# Altium PCB PCB1.PcbDoc (part 1 of 2) (continued)
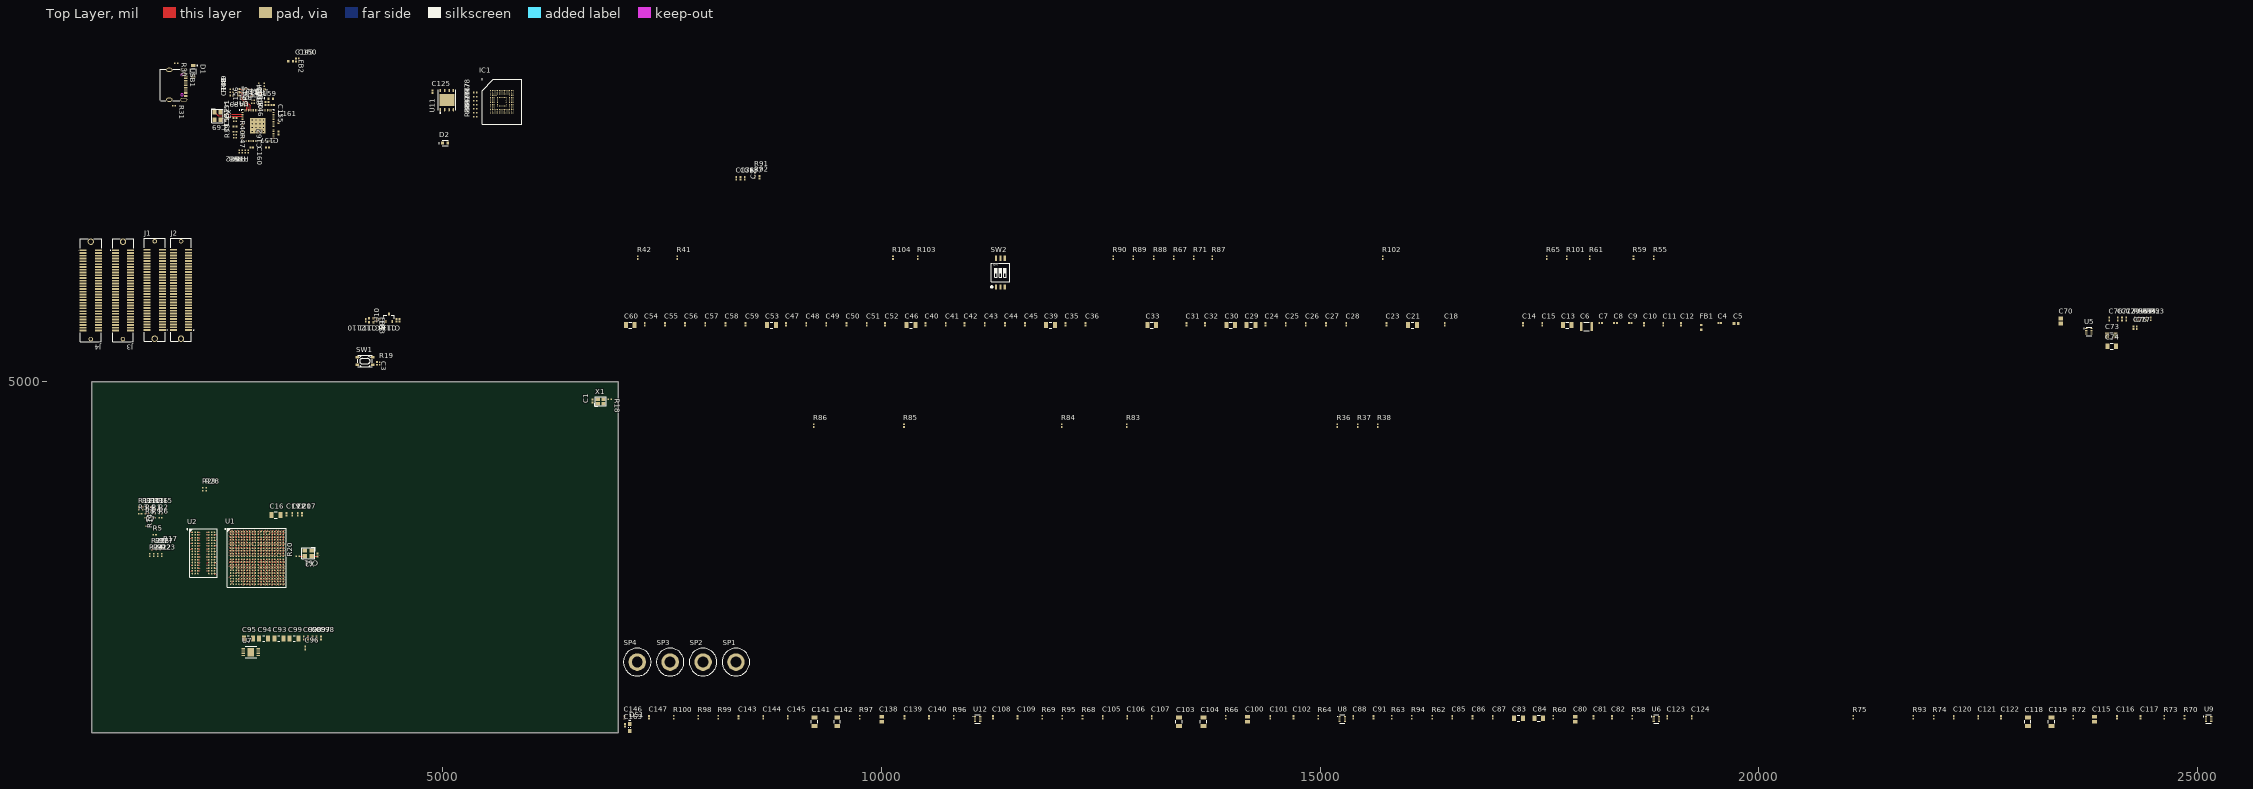
[diagram p0: Top Layer view]
## Components (designator, comment, footprint, x,y, rotation, side; value= is the part's Value field where it differs from the comment) (continued)
R8 "40R2" RESC1005X40X25LL05T05 1625.82,3449.21 r0 top
R9 "40R2" RESC1005X40X25LL05T05 1703.03,3449.21 r0 top
R10 "40R2" RESC1005X40X25LL05T05 1624.29,3556.39 r90 top
R11 "40R2" RESC1005X40X25LL05T05 1578.57,3556.39 r90 top
R12 "40R2" RESC1005X40X25LL05T05 1532.86,3556.39 r90 top
R13 "40R2" RESC1005X40X25LL05T05 1670.01,3556.39 r90 top
R14 "40R2" RESC1005X40X25LL05T05 1750,3335 r180 top
R15 "40R2" RESC1005X40X25LL05T05 1761.44,3556.39 r90 top
R16 "40R2" RESC1005X40X25LL05T05 1715.72,3556.39 r90 top
R17 "80R6" RESC1005X40X25LL05T05 1820,3120 r90 top
R18 "0R" RESC1005X40X25LL05T05 6900.75,4800 r0 top
R19 "10K" RESC1005X40X25LL05T05 4282.54,5208.81 r90 top
R20 "0R" RESC1005X40X25LL05T05 3345,3010 r180 top
R21 "240R" RESC1005X40X25LL05T05 1703.57,3025.64 r90 top
R22 "4.7K" RESC1005X40X25LL05T05 1749.29,3025.64 r90 top
R23 "4.7K" RESC1005X40X25LL05T05 1795.01,3025.64 r90 top
R24 "4.7K" RESC1005X40X25LL05T05 1657.86,3025.64 r90 top
R25 "40R2" RESC1005X40X25LL05T05 1684.41,3101.39 r90 top
R26 "40R2" RESC1005X40X25LL05T05 1730.13,3101.39 r90 top
R27 "40R2" RESC1005X40X25LL05T05 1775.84,3101.39 r90 top
R28 "80.6R" RESC1005X40X25LL05T05 2300,3775 r90 top
R29 "80.6R" RESC1005X40X25LL05T05 2265,3775 r90 top
R30 "5.1K" RESC1005X40X25LL05T05 1960,8630 r0 top
R31 "5.1K" RESC1005X40X25LL05T05 1935,8145 r0 top
R32 "0R" RESC1005X40X25LL05T05 2679.67,7624.25 r270 top
R33 "0R" RESC1005X40X25LL05T05 2713.14,7624.25 r270 top
R34 "0R" RESC1005X40X25LL05T05 2746.52,7624.25 r270 top
R35 "0R" RESC1005X40X25LL05T05 2780,7624.25 r270 top
R36 "4.7K" RESC1005X40X25LL05T05 15195,4500 r90 top
R37 "4.7K" RESC1005X40X25LL05T05 15425,4500 r90 top
R38 "4.7K" RESC1005X40X25LL05T05 15655,4500 r90 top
R39 "10K" RESC1005X40X25LL05T05 2630.06,7783.08 r180 top
R40 "12K" RESC1005X40X25LL05T05 2629.73,7967.47 r0 top
R41 "0R" RESC1005X40X25LL05T05 7670,6415 r90 top
R42 "0R" RESC1005X40X25LL05T05 7220,6415 r90 top
R43 "330R" RESC1005X40X25LL05T05 2965,8385 r270 top
R44 "330R" RESC1005X40X25LL05T05 2902.82,8385 r270 top
R45 "4.7K" RESC1005X40X25LL05T05 2834.69,8207.31 r180 top
R46 "10K" RESC1005X40X25LL05T05 2834.58,8173.82 r0 top
R47 "12K" RESC1005X40X25LL05T05 2630.06,7816.61 r0 top
R48 "10K" RESC1005X40X25LL05T05 2591.74,8299.53 r180 top
R49 "10K" RESC1005X40X25LL05T05 2591.82,8336.12 r180 top
R50 "10K" RESC1005X40X25LL05T05 2835,8260 r0 top
R51 "2K" RESC1005X40X25LL05T05 2820,8325 r270 top
R52 "20R" RESC1005X40X25LL05T05 24418.16,5716.39 r90 top
R53 "604K" RESC1005X40X25LL05T05 24463.87,5716.39 r90 top
R54 "40.2K" RESC1005X40X25LL05T05 24373.92,5716.39 r90 top
R55 "20K" RESC1005X40X25LL05T05 18800,6415 r90 top
R56 "15K" RESC1005X40X25LL05T05 24281.01,5716.39 r90 top
R57 "7.68K" RESC1005X40X25LL05T05 24326.72,5716.39 r90 top
R58 "20R" RESC1005X40X25LL05T05 18555,1175 r90 top
R59 "20K" RESC1005X40X25LL05T05 18570,6415 r90 top
R60 "40.2K" RESC1005X40X25LL05T05 17655,1175 r90 top
R61 "20K" RESC1005X40X25LL05T05 18070,6415 r90 top
R62 "36K" RESC1005X40X25LL05T05 16275,1175 r90 top
R63 "32.4K" RESC1005X40X25LL05T05 15815,1175 r90 top
R64 "20R" RESC1005X40X25LL05T05 14975,1175 r90 top
R65 "20K" RESC1005X40X25LL05T05 17580,6415 r90 top
R66 "40.2K" RESC1005X40X25LL05T05 13920,1175 r90 top
R67 "10K" RESC1005X40X25LL05T05 13330,6415 r90 top
R68 "0R" RESC1005X40X25LL05T05 12290,1175 r90 top
R69 "13K" RESC1005X40X25LL05T05 11830,1175 r90 top
R70 "20R" RESC1005X40X25LL05T05 24850,1175 r90 top
R71 "10K" RESC1005X40X25LL05T05 13560,6415 r90 top
R72 "33K" RESC1005X40X25LL05T05 23580,1175 r90 top
R73 "604K" RESC1005X40X25LL05T05 24620,1175 r90 top
R74 "120K" RESC1005X40X25LL05T05 21990,1175 r90 top
R75 "133K" RESC1005X40X25LL05T05 21075,1175 r90 top
R76 "10K" RESC1005X40X25LL05T05 5368.96,8205.01 r180 top
R77 "10K" RESC1005X40X25LL05T05 5368.96,8250.73 r180 top
R78 "10K" RESC1005X40X25LL05T05 5368.96,8296.45 r180 top
R79 "10K" RESC1005X40X25LL05T05 5368.96,8159.3 r180 top
R80 "10K" RESC1005X40X25LL05T05 5368.96,8022.15 r180 top
R81 "10K" RESC1005X40X25LL05T05 5368.96,8067.87 r180 top
R82 "10K" RESC1005X40X25LL05T05 5368.96,8113.58 r180 top
R83 "4.7K" RESC1005X40X25LL05T05 12795,4500 r90 top
R84 "4.7K" RESC1005X40X25LL05T05 12055,4500 r90 top
R85 "330R" RESC1005X40X25LL05T05 10255,4500 r90 top
R86 "330R" RESC1005X40X25LL05T05 9225,4500 r90 top
R87 "10K" RESC1005X40X25LL05T05 13770,6415 r90 top
R88 "20K" RESC1005X40X25LL05T05 13100,6415 r90 top
R89 "20K" RESC1005X40X25LL05T05 12870,6415 r90 top
R90 "20K" RESC1005X40X25LL05T05 12640,6415 r90 top
R91 "1K" RESC1005X40X25LL05T05 8555,7395 r90 top
R92 "1K" RESC1005X40X25LL05T05 8555,7334.25 r90 top
R93 "10K" RESC1005X40X25LL05T05 21760,1175 r90 top
R94 "10K" RESC1005X40X25LL05T05 16045,1175 r90 top
R95 "10K" RESC1005X40X25LL05T05 12060,1175 r90 top
R96 "20R" RESC1005X40X25LL05T05 10820,1175 r90 top
R97 "40.2K" RESC1005X40X25LL05T05 9750,1175 r90 top
R98 "10K" RESC1005X40X25LL05T05 7910,1175 r90 top
R99 "30K" RESC1005X40X25LL05T05 8140,1175 r90 top
R100 "13K" RESC1005X40X25LL05T05 7630,1175 r90 top
R101 "4.7K" RESC1005X40X25LL05T05 17810,6415 r90 top
R102 "22R" RESC1005X40X25LL05T05 15710,6415 r90 top
R103 "22R" RESC1005X40X25LL05T05 10410,6415 r90 top
R104 "22R" RESC1005X40X25LL05T05 10130,6415 r90 top
SP1 "M3铜柱" M3x4+6_L 8340,1805 r0 top
SP2 "M3铜柱" M3x4+6_L 7965,1805 r0 top
SP3 "M3铜柱" M3x4+6_L 7590,1805 r0 top
SP4 "M3铜柱" M3x4+6_L 7215,1805 r0 top
SW1 "3*4*2.5" SW-SMD-4.2x3.2_4P 4110,5235 r0 top
SW2 "DIP-SW-3P" "SW1.27 SMD-3P" 11355,6245 r0 top
U1 "XC7Z020-1CLG400C" CLG400 2879.25,2993.23 r0 top
U2 "MT41K64M16TW-107:J" MICT-TW-96 2270,3050 r0 top
U3 "FT2232HQ-Reel" QFN64_2_L 2891.73,7918.82 r0 top
U4 "93LC56BT-I/OT" SOT-23-OT6_N 2720,8300 r180 top
U5 "MP2333CGTL-Z" SOT583_MP2333C_MNP 23760,5575 r0 top
U6 "MP2333CGTL-Z" SOT583_MP2333C_MNP 18830,1155 r0 top
U7 "MPQ20073-AEC1" MSOP-8-EP_MNP-L 2810.5,1921.73 r0 top
U8 "MP2333CGTL-Z" SOT583_MP2333C_MNP 15250,1155 r0 top
U9 "MP2333CGTL-Z" SOT583_MP2333C_MNP 25125,1155 r0 top
U10 "REF3012AIDBZT" DBZ0003A_L 4385,5730 r90 top
U11 "W25Q128JVPIQ" FP-ZP-IPC_C 5045,8210 r90 top
U12 "MP2333CGTL-Z" SOT583_MP2333C_MNP 11095,1155 r0 top
USB1 "TYPE-C16PIN2MD(073)" TYPE-C16PIN2MD(073)-Footprint 1975,8385 r270 top
X1 "33.3333MHz" OSC-2025-4P 6797.94,4775.05 r0 top
X2 "50Mhz" OSC-3225-4P 3465,3045 r180 top
X3 "26M" XTAL-3225-4P 2431.54,8028.66 r270 top

## Footprints (in the part's own frame and the unit in brackets; to place one, negate y for a bottom-side part, rotate by r counter-clockwise, add the part's x,y. Pads: shape width x height; smd on the part's side, far side on the other; paste and mask are expansions set on the pad)
5177983-2 [mm]
  rect 0.5x2 smd: 1(-11.6,-2.2) 2(-11.6,2.2) 3(-10.8,-2.2) 4(-10.8,2.2) 5(-10,-2.2) 6(-10,2.2) 7(-9.2,-2.2) 8(-9.2,2.2) 9(-8.4,-2.2) 10(-8.4,2.2) 11(-7.6,-2.2) 12(-7.6,2.2) 13(-6.8,-2.2) 14(-6.8,2.2) 15(-6,-2.2) 16(-6,2.2) 17(-5.2,-2.2) 18(-5.2,2.2) 19(-4.4,-2.2) 20(-4.4,2.2) 21(-3.6,-2.2) 22(-3.6,2.2) 23(-2.8,-2.2) 24(-2.8,2.2) 25(-2,-2.2) 26(-2,2.2) 27(-1.2,-2.2) 28(-1.2,2.2) 29(-0.4,-2.2) 30(-0.4,2.2) 31(0.4,-2.2) 32(0.4,2.2) 33(1.2,-2.2) 34(1.2,2.2) 35(2,-2.2) 36(2,2.2) 37(2.8,-2.2) 38(2.8,2.2) 39(3.6,-2.2) 40(3.6,2.2) 41(4.4,-2.2) 42(4.4,2.2) 43(5.2,-2.2) 44(5.2,2.2) 45(6,-2.2) 46(6,2.2) 47(6.8,-2.2) 48(6.8,2.2) 49(7.6,-2.2) 50(7.6,2.2) 51(8.4,-2.2) 52(8.4,2.2) 53(9.2,-2.2) 54(9.2,2.2) 55(10,-2.2) 56(10,2.2) 57(10.8,-2.2) 58(10.8,2.2) 59(11.6,-2.2) 60(11.6,2.2)
  round 1.85 hole 1.23: 61(-14.1,0)
  round 1.3 hole 0.83: 62(14.1,0)
  silkscreen extent -14.9,-3.7 14.9,3, body extent -14.9,-3.28 14.9,2.72, height 3.63
BGA153C50P14X14_1150X1300X80 [mm]
  round 0.29 smd: A1(-3.25,3.25) A2(-2.75,3.25) A3(-2.25,3.25) A4(-1.75,3.25) A5(-1.25,3.25) A6(-0.75,3.25) A7(-0.25,3.25) A8(0.25,3.25) A9(0.75,3.25) A10(1.25,3.25) A11(1.75,3.25) A12(2.25,3.25) A13(2.75,3.25) A14(3.25,3.25) B1(-3.25,2.75) B2(-2.75,2.75) B3(-2.25,2.75) B4(-1.75,2.75) B5(-1.25,2.75) B6(-0.75,2.75) B7(-0.25,2.75) B8(0.25,2.75) B9(0.75,2.75) B10(1.25,2.75) B11(1.75,2.75) B12(2.25,2.75) B13(2.75,2.75) B14(3.25,2.75) C1(-3.25,2.25) C2(-2.75,2.25) C3(-2.25,2.25) C4(-1.75,2.25) C5(-1.25,2.25) C6(-0.75,2.25) C7(-0.25,2.25) C8(0.25,2.25) C9(0.75,2.25) C10(1.25,2.25) C11(1.75,2.25) C12(2.25,2.25) C13(2.75,2.25) C14(3.25,2.25) D1(-3.25,1.75) D2(-2.75,1.75) D3(-2.25,1.75) D4(-1.75,1.75) D12(2.25,1.75) D13(2.75,1.75) D14(3.25,1.75) E1(-3.25,1.25) E2(-2.75,1.25) E3(-2.25,1.25) E5(-1.25,1.25) E6(-0.75,1.25) E7(-0.25,1.25) E8(0.25,1.25) E9(0.75,1.25) E10(1.25,1.25) E12(2.25,1.25) E13(2.75,1.25) E14(3.25,1.25) F1(-3.25,0.75) F2(-2.75,0.75) F3(-2.25,0.75) F5(-1.25,0.75) F10(1.25,0.75) F12(2.25,0.75) F13(2.75,0.75) F14(3.25,0.75) G1(-3.25,0.25) G2(-2.75,0.25) G3(-2.25,0.25) G5(-1.25,0.25) G10(1.25,0.25) G12(2.25,0.25) G13(2.75,0.25) G14(3.25,0.25) H1(-3.25,-0.25) H2(-2.75,-0.25) H3(-2.25,-0.25) H5(-1.25,-0.25) H10(1.25,-0.25) H12(2.25,-0.25) H13(2.75,-0.25) H14(3.25,-0.25) J1(-3.25,-0.75) J2(-2.75,-0.75) J3(-2.25,-0.75) J5(-1.25,-0.75) J10(1.25,-0.75) J12(2.25,-0.75) J13(2.75,-0.75) J14(3.25,-0.75) K1(-3.25,-1.25) K2(-2.75,-1.25) K3(-2.25,-1.25) K5(-1.25,-1.25) K6(-0.75,-1.25) K7(-0.25,-1.25) K8(0.25,-1.25) K9(0.75,-1.25) K10(1.25,-1.25) K12(2.25,-1.25) K13(2.75,-1.25) K14(3.25,-1.25) L1(-3.25,-1.75) L2(-2.75,-1.75) L3(-2.25,-1.75) L12(2.25,-1.75) L13(2.75,-1.75) L14(3.25,-1.75) M1(-3.25,-2.25) M2(-2.75,-2.25) M3(-2.25,-2.25) M4(-1.75,-2.25) M5(-1.25,-2.25) M6(-0.75,-2.25) M7(-0.25,-2.25) M8(0.25,-2.25) M9(0.75,-2.25) M10(1.25,-2.25) M11(1.75,-2.25) M12(2.25,-2.25) M13(2.75,-2.25) M14(3.25,-2.25) N1(-3.25,-2.75) N2(-2.75,-2.75) N3(-2.25,-2.75) N4(-1.75,-2.75) N5(-1.25,-2.75) N6(-0.75,-2.75) N7(-0.25,-2.75) N8(0.25,-2.75) N9(0.75,-2.75) N10(1.25,-2.75) N11(1.75,-2.75) N12(2.25,-2.75) N13(2.75,-2.75) N14(3.25,-2.75) P1(-3.25,-3.25) P2(-2.75,-3.25) P3(-2.25,-3.25) P4(-1.75,-3.25) P5(-1.25,-3.25) P6(-0.75,-3.25) P7(-0.25,-3.25) P8(0.25,-3.25) P9(0.75,-3.25) P10(1.25,-3.25) P11(1.75,-3.25) P12(2.25,-3.25) P13(2.75,-3.25) P14(3.25,-3.25)
  silkscreen extent -5.85,-6.5 5.75,6.6, body extent -5.75,-6.5 5.75,6.5, height 0.8
CAPC1005X55X25LL05T10 [mm] "Chip Capacitor, 2-Leads, Body 1.00x0.50mm, IPC High Density"
  rect 0.56x0.52 smd: 1(-0.39,0) 2(0.39,0)
  body extent -0.53,-0.28 0.53,0.28, height 0.55
CAPC1608X90X35LL10T15 [mm] "Chip Capacitor, 2-Leads, Body 1.60x0.80mm, IPC High Density"
  rect 0.75x0.85 smd: 1(-0.625,0) 2(0.625,0)
  body extent -0.85,-0.45 0.85,0.45, height 0.9
CAPC2013X145X45LL20T25 [mm] "Chip Capacitor, 2-Leads, Body 2.00x1.25mm, IPC High Density"
  rect 1.05x1.35 smd: 1(-0.725,0) 2(0.725,0)
  body extent -1.1,-0.72 1.1,0.72, height 1.45
CAPC3225X270X30LL30 [mm] "Chip Capacitor, 2-Leads, Body 3.5x2.7mm, IPC High Density"
  rect 0.75x2.6 smd: 1(-1.525,0) 2(1.525,0)
  silkscreen extent -0.75,-1.2 0.75,1.2, body extent -1.75,-1.35 1.75,1.35, height 2.7
CLG400 [mm] "BGA, 400-Balls, Body 17x17mm, Pitch 0.8mm"
  round 0.45 smd: A1(-7.6,7.6) A2(-6.8,7.6) A3(-6,7.6) A4(-5.2,7.6) A5(-4.4,7.6) A6(-3.6,7.6) A7(-2.8,7.6) A8(-2,7.6) A9(-1.2,7.6) A10(-0.4,7.6) A11(0.4,7.6) A12(1.2,7.6) A13(2,7.6) A14(2.8,7.6) A15(3.6,7.6) A16(4.4,7.6) A17(5.2,7.6) A18(6,7.6) A19(6.8,7.6) A20(7.6,7.6) B1(-7.6,6.8) B2(-6.8,6.8) B3(-6,6.8) B4(-5.2,6.8) B5(-4.4,6.8) B6(-3.6,6.8) B7(-2.8,6.8) B8(-2,6.8) B9(-1.2,6.8) B10(-0.4,6.8) B11(0.4,6.8) B12(1.2,6.8) B13(2,6.8) B14(2.8,6.8) B15(3.6,6.8) B16(4.4,6.8) B17(5.2,6.8) B18(6,6.8) B19(6.8,6.8) B20(7.6,6.8) C1(-7.6,6) C2(-6.8,6) C3(-6,6) C4(-5.2,6) C5(-4.4,6) C6(-3.6,6) C7(-2.8,6) C8(-2,6) C9(-1.2,6) C10(-0.4,6) C11(0.4,6) C12(1.2,6) C13(2,6) C14(2.8,6) C15(3.6,6) C16(4.4,6) C17(5.2,6) C18(6,6) C19(6.8,6) C20(7.6,6) D1(-7.6,5.2) D2(-6.8,5.2) D3(-6,5.2) D4(-5.2,5.2) D5(-4.4,5.2) D6(-3.6,5.2) D7(-2.8,5.2) D8(-2,5.2) D9(-1.2,5.2) D10(-0.4,5.2) D11(0.4,5.2) D12(1.2,5.2) D13(2,5.2) D14(2.8,5.2) D15(3.6,5.2) D16(4.4,5.2) D17(5.2,5.2) D18(6,5.2) D19(6.8,5.2) D20(7.6,5.2) E1(-7.6,4.4) E2(-6.8,4.4) E3(-6,4.4) E4(-5.2,4.4) E5(-4.4,4.4) E6(-3.6,4.4) E7(-2.8,4.4) E8(-2,4.4) E9(-1.2,4.4) E10(-0.4,4.4) E11(0.4,4.4) E12(1.2,4.4) E13(2,4.4) E14(2.8,4.4) E15(3.6,4.4) E16(4.4,4.4) E17(5.2,4.4) E18(6,4.4) E19(6.8,4.4) E20(7.6,4.4) F1(-7.6,3.6) F2(-6.8,3.6) F3(-6,3.6) F4(-5.2,3.6) F5(-4.4,3.6) F6(-3.6,3.6) F7(-2.8,3.6) F8(-2,3.6) F9(-1.2,3.6) F10(-0.4,3.6) F11(0.4,3.6) F12(1.2,3.6) F13(2,3.6) F14(2.8,3.6) F15(3.6,3.6) F16(4.4,3.6) F17(5.2,3.6) F18(6,3.6) F19(6.8,3.6) F20(7.6,3.6) G1(-7.6,2.8) G2(-6.8,2.8) G3(-6,2.8) G4(-5.2,2.8) G5(-4.4,2.8) G6(-3.6,2.8) G7(-2.8,2.8) G8(-2,2.8) G9(-1.2,2.8) G10(-0.4,2.8) G11(0.4,2.8) G12(1.2,2.8) G13(2,2.8) G14(2.8,2.8) G15(3.6,2.8) G16(4.4,2.8) G17(5.2,2.8) G18(6,2.8) G19(6.8,2.8) G20(7.6,2.8) H1(-7.6,2) H2(-6.8,2) H3(-6,2) H4(-5.2,2) H5(-4.4,2) H6(-3.6,2) H7(-2.8,2) H8(-2,2) H9(-1.2,2) H10(-0.4,2) H11(0.4,2) H12(1.2,2) H13(2,2) H14(2.8,2) H15(3.6,2) H16(4.4,2) H17(5.2,2) H18(6,2) H19(6.8,2) H20(7.6,2) J1(-7.6,1.2) J2(-6.8,1.2) J3(-6,1.2) J4(-5.2,1.2) J5(-4.4,1.2) J6(-3.6,1.2) J7(-2.8,1.2) J8(-2,1.2) J9(-1.2,1.2) J10(-0.4,1.2) J11(0.4,1.2) J12(1.2,1.2) J13(2,1.2) J14(2.8,1.2) J15(3.6,1.2) J16(4.4,1.2) J17(5.2,1.2) J18(6,1.2) J19(6.8,1.2) J20(7.6,1.2) K1(-7.6,0.4) K2(-6.8,0.4) K3(-6,0.4) K4(-5.2,0.4) K5(-4.4,0.4) K6(-3.6,0.4) K7(-2.8,0.4) K8(-2,0.4) K9(-1.2,0.4) K10(-0.4,0.4) K11(0.4,0.4) K12(1.2,0.4) K13(2,0.4) K14(2.8,0.4) K15(3.6,0.4) K16(4.4,0.4) K17(5.2,0.4) K18(6,0.4) K19(6.8,0.4) K20(7.6,0.4) L1(-7.6,-0.4) L2(-6.8,-0.4) L3(-6,-0.4) L4(-5.2,-0.4) L5(-4.4,-0.4) L6(-3.6,-0.4) L7(-2.8,-0.4) L8(-2,-0.4) L9(-1.2,-0.4) L10(-0.4,-0.4) L11(0.4,-0.4) L12(1.2,-0.4) L13(2,-0.4) L14(2.8,-0.4) L15(3.6,-0.4) L16(4.4,-0.4) L17(5.2,-0.4) L18(6,-0.4) L19(6.8,-0.4) L20(7.6,-0.4) M1(-7.6,-1.2) M2(-6.8,-1.2) M3(-6,-1.2) M4(-5.2,-1.2) M5(-4.4,-1.2) M6(-3.6,-1.2) M7(-2.8,-1.2) M8(-2,-1.2) M9(-1.2,-1.2) M10(-0.4,-1.2) M11(0.4,-1.2) M12(1.2,-1.2) M13(2,-1.2) M14(2.8,-1.2) M15(3.6,-1.2) M16(4.4,-1.2) M17(5.2,-1.2) M18(6,-1.2) M19(6.8,-1.2) M20(7.6,-1.2) N1(-7.6,-2) N2(-6.8,-2) N3(-6,-2) N4(-5.2,-2) N5(-4.4,-2) N6(-3.6,-2) N7(-2.8,-2) N8(-2,-2) N9(-1.2,-2) N10(-0.4,-2) N11(0.4,-2) N12(1.2,-2) N13(2,-2) N14(2.8,-2) N15(3.6,-2) N16(4.4,-2) N17(5.2,-2) N18(6,-2) N19(6.8,-2) N20(7.6,-2) P1(-7.6,-2.8) P2(-6.8,-2.8) P3(-6,-2.8) P4(-5.2,-2.8) P5(-4.4,-2.8) P6(-3.6,-2.8) P7(-2.8,-2.8) P8(-2,-2.8) P9(-1.2,-2.8) P10(-0.4,-2.8) P11(0.4,-2.8) P12(1.2,-2.8) P13(2,-2.8) P14(2.8,-2.8) P15(3.6,-2.8) P16(4.4,-2.8) P17(5.2,-2.8) P18(6,-2.8) P19(6.8,-2.8) P20(7.6,-2.8) R1(-7.6,-3.6) R2(-6.8,-3.6) R3(-6,-3.6) R4(-5.2,-3.6) R5(-4.4,-3.6) R6(-3.6,-3.6) R7(-2.8,-3.6) R8(-2,-3.6) R9(-1.2,-3.6) R10(-0.4,-3.6) R11(0.4,-3.6) R12(1.2,-3.6) R13(2,-3.6) R14(2.8,-3.6) R15(3.6,-3.6) R16(4.4,-3.6) R17(5.2,-3.6) R18(6,-3.6) R19(6.8,-3.6) R20(7.6,-3.6) T1(-7.6,-4.4) T2(-6.8,-4.4) T3(-6,-4.4) T4(-5.2,-4.4) T5(-4.4,-4.4) T6(-3.6,-4.4) T7(-2.8,-4.4) T8(-2,-4.4) T9(-1.2,-4.4) T10(-0.4,-4.4) T11(0.4,-4.4) T12(1.2,-4.4) T13(2,-4.4) T14(2.8,-4.4) T15(3.6,-4.4) T16(4.4,-4.4) T17(5.2,-4.4) T18(6,-4.4) T19(6.8,-4.4) T20(7.6,-4.4) U1(-7.6,-5.2) U2(-6.8,-5.2) U3(-6,-5.2) U4(-5.2,-5.2) U5(-4.4,-5.2) U6(-3.6,-5.2) U7(-2.8,-5.2) U8(-2,-5.2) U9(-1.2,-5.2) U10(-0.4,-5.2) U11(0.4,-5.2) U12(1.2,-5.2) U13(2,-5.2) U14(2.8,-5.2) U15(3.6,-5.2) U16(4.4,-5.2) U17(5.2,-5.2) U18(6,-5.2) U19(6.8,-5.2) U20(7.6,-5.2) V1(-7.6,-6) V2(-6.8,-6) V3(-6,-6) V4(-5.2,-6) V5(-4.4,-6) V6(-3.6,-6) V7(-2.8,-6) V8(-2,-6) V9(-1.2,-6) V10(-0.4,-6) V11(0.4,-6) V12(1.2,-6) V13(2,-6) V14(2.8,-6) V15(3.6,-6) V16(4.4,-6) V17(5.2,-6) V18(6,-6) V19(6.8,-6) V20(7.6,-6) W1(-7.6,-6.8) W2(-6.8,-6.8) W3(-6,-6.8) W4(-5.2,-6.8) W5(-4.4,-6.8) W6(-3.6,-6.8) W7(-2.8,-6.8) W8(-2,-6.8) W9(-1.2,-6.8) W10(-0.4,-6.8) W11(0.4,-6.8) W12(1.2,-6.8) W13(2,-6.8) W14(2.8,-6.8) W15(3.6,-6.8) W16(4.4,-6.8) W17(5.2,-6.8) W18(6,-6.8) W19(6.8,-6.8) W20(7.6,-6.8) Y1(-7.6,-7.6) Y2(-6.8,-7.6) Y3(-6,-7.6) Y4(-5.2,-7.6) Y5(-4.4,-7.6) Y6(-3.6,-7.6) Y7(-2.8,-7.6) Y8(-2,-7.6) Y9(-1.2,-7.6) Y10(-0.4,-7.6) Y11(0.4,-7.6) Y12(1.2,-7.6) Y13(2,-7.6) Y14(2.8,-7.6) Y15(3.6,-7.6) Y16(4.4,-7.6) Y17(5.2,-7.6) Y18(6,-7.6) Y19(6.8,-7.6) Y20(7.6,-7.6)
  silkscreen extent -9.27,-8.5 8.5,8.5, body extent -8.5,-8.5 8.5,8.5, height 1.6
DBZ0003A_L [mm] "SOT23, 3-Leads, Body 3.04x1.4mm, Pitch 0.95mm, IPC High Density"
  rrect18% 0.8x0.55 smd: 1(-1.1,0.95) 2(-1.1,-0.95) 3(1.1,0)
  silkscreen extent -1.22,-1.5 0.7,1.9, body extent -1.26,-1.46 1.26,1.46, height 0.96
FP-0201-L_0_6_0_09-W_0_3-IPC_A [mil]
  rect 22.71x19.82 smd paste+0 mask+0: 1(-14.31,0) 2(14.31,0)
  body extent -34,-18 34,18, height 10
FP-GCM31C-0_2-e0_3_0_8-IPC_C [mil]
  rect 45.46x67.17 smd paste+0 mask+0: 1(-50.23,0) 2(50.23,0)
  silkscreen extent -16,-35 16,35, body extent -77,-39 77,39, height 10
FP-LTST-C191KRKT-MFG [mm]
  rect 0.8x0.8 smd paste+0 mask+0: 1(-0.75,0) 2(0.75,0)
  silkscreen extent -1.86,-0.78 0.86,0.78, body extent -1.25,-0.55 1.25,0.55, height 0.25
FP-LTST-C191TBKT-MFG [mm]
  rect 0.8x0.8 smd paste+0 mask+0: 1(-0.75,0) 2(0.75,0)
  silkscreen extent -1.87,-0.8 0.85,0.8, body extent -1.25,-0.55 1.25,0.55, height 0.25
FP-ZP-IPC_C [mm]
  rect 0.961x0.418 smd paste+0 mask+0: 1(-2.776,1.905)
  rrect100% 0.961x0.418 smd paste+0 mask+0: 2(-2.776,0.635) 3(-2.776,-0.635) 4(-2.776,-1.905) 5(2.776,-1.905) 6(2.776,-0.635) 7(2.776,0.635) 8(2.776,1.905)
  rect 3.45x4.35 smd paste-1000 mask+0: 9(0,0)
  silkscreen extent -3.78,-2.5 3,2.5, body extent -3.36,-2.6 3.36,2.6, height 0.25
LTST-LTST-S270KGKT-2_V [mm] "SMD, 2-Leads, Body 1.65x0.60mm"
  rect 1.1x1.1 smd: 1(-1,0) 2(1,0)
  silkscreen extent -0.05,-0.3 2.05,0.3, body extent -0.82,-0.3 0.82,0.3, height 1.15
M3x4+6_L [mil] "M3铜柱，长：4mm，螺纹长：6mm"
  round 200 hole 125: 1(0,0)
  silkscreen extent -157,-157 157,157, body extent -106,-93 106,93, height 159
MICT-TW-96 [mm] "BGA, 96-Balls, Body 8x14mm, Pitch 0.8mm"
  round 0.47 smd mask-0.025: A1(-3.2,6) A2(-2.4,6) A3(-1.6,6) A7(1.6,6) A8(2.4,6) A9(3.2,6) B1(-3.2,5.2) B2(-2.4,5.2) B3(-1.6,5.2) B7(1.6,5.2) B8(2.4,5.2) B9(3.2,5.2) C1(-3.2,4.4) C2(-2.4,4.4) C3(-1.6,4.4) C7(1.6,4.4) C8(2.4,4.4) C9(3.2,4.4) D1(-3.2,3.6) D2(-2.4,3.6) D3(-1.6,3.6) D7(1.6,3.6) D8(2.4,3.6) D9(3.2,3.6) E1(-3.2,2.8) E2(-2.4,2.8) E3(-1.6,2.8) E7(1.6,2.8) E8(2.4,2.8) E9(3.2,2.8) F1(-3.2,2) F2(-2.4,2) F3(-1.6,2) F7(1.6,2) F8(2.4,2) F9(3.2,2) G1(-3.2,1.2) G2(-2.4,1.2) G3(-1.6,1.2) G7(1.6,1.2) G8(2.4,1.2) G9(3.2,1.2) H1(-3.2,0.4) H2(-2.4,0.4) H3(-1.6,0.4) H7(1.6,0.4) H8(2.4,0.4) H9(3.2,0.4) J1(-3.2,-0.4) J2(-2.4,-0.4) J3(-1.6,-0.4) J7(1.6,-0.4) J8(2.4,-0.4) J9(3.2,-0.4) K1(-3.2,-1.2) K2(-2.4,-1.2) K3(-1.6,-1.2) K7(1.6,-1.2) K8(2.4,-1.2) K9(3.2,-1.2) L1(-3.2,-2) L2(-2.4,-2) L3(-1.6,-2) L7(1.6,-2) L8(2.4,-2) L9(3.2,-2) M1(-3.2,-2.8) M2(-2.4,-2.8) M3(-1.6,-2.8) M7(1.6,-2.8) M8(2.4,-2.8) M9(3.2,-2.8) N1(-3.2,-3.6) N2(-2.4,-3.6) N3(-1.6,-3.6) N7(1.6,-3.6) N8(2.4,-3.6) N9(3.2,-3.6) P1(-3.2,-4.4) P2(-2.4,-4.4) P3(-1.6,-4.4) P7(1.6,-4.4) P8(2.4,-4.4) P9(3.2,-4.4) R1(-3.2,-5.2) R2(-2.4,-5.2) R3(-1.6,-5.2) R7(1.6,-5.2) R8(2.4,-5.2) R9(3.2,-5.2) T1(-3.2,-6) T2(-2.4,-6) T3(-1.6,-6) T7(1.6,-6) T8(2.4,-6) T9(3.2,-6)
  silkscreen extent -4.77,-7 4,7, body extent -4,-7 4,7, height 1.2
MSOP-8-EP_MNP-L [mil]
  rect 42x14 smd paste+0 mask+0: 1(-84.5,34.45) 2(-84.5,8.86) 3(-84.5,-16.73) 4(-84.5,-42.32) 5(84.5,-42.32) 6(84.5,-16.73) 7(84.5,8.86) 8(84.5,34.45)
  rect 75x100 smd paste-49.5 mask+0: EPAD(0,-3.94)
  silkscreen extent -66,-70 66,62, body extent -99,-65 99,57, height 43
MURA-1206_H_1.8_L [mm] "SMD, 2-Leads, Body 3.4x1.8mm, IPC High Density"
  rect 1.15x1.7 smd: 1(-1.275,0) 2(1.275,0)
  silkscreen extent -0.3,-0.75 0.3,0.75, body extent -1.7,-0.9 1.7,0.9, height 1.8
MURA-BLM18SG-B40-CHIP-2_V6 [mm] "Chip Ferrite Bead, 2-Leads, Body 1.6x0.8mm, Height 0.65mm, Reflow, 70um Land Pad Thickness, 3 to 4A Rated Current"
  rect 0.65x0.7 smd: 1(-0.675,0) 2(0.675,0)
  body extent -0.8,-0.4 0.8,0.4, height 0.65
ONSC-SOD-123FL-2-498-01_V [mm] "SOD, 2-Leads, Body 2.7x1.65mm"
  rect 0.91x1.22 smd: 1(-1.635,0) 2(1.635,0)
  silkscreen extent -1.76,-0.82 0.78,1.29, body extent -1.35,-0.82 1.35,0.82, height 1
OSC-2025-4P [mm] "2*2.5*0.55mm(长宽高)"
  rect 1.2x1 smd: 1(-0.85,-0.65) 2(0.85,-0.65) 3(0.85,0.65) 4(-0.85,0.65)
  silkscreen extent -1.75,-1.4 1.63,1.32, body extent -1.25,-1 1.25,1, height 0.55
OSC-3225-4P [mm] "3.2*2.5*0.7mm(长宽高)                             淘宝ID:黄晶宝石"
  rect 1.3x1.2 smd: 1(-1.05,-0.85) 2(1.05,-0.85) 3(1.05,0.85) 4(-1.05,0.85)
  silkscreen extent -2.03,-1.75 1.91,1.65, body extent -1.6,-1.25 1.6,1.25, height 0.7
QFN64_2_L [mm] "QFN, 64-Leads, Body 9x9mm, Pitch 0.5mm, Thermal Pad 4.5x4.5mm, IPC High Density"
  oval 0.65x0.25 smd: 1(-4.475,3.75) 2(-4.475,3.25) 3(-4.475,2.75) 4(-4.475,2.25) 5(-4.475,1.75) 6(-4.475,1.25) 7(-4.475,0.75) 8(-4.475,0.25) 9(-4.475,-0.25) 10(-4.475,-0.75) 11(-4.475,-1.25) 12(-4.475,-1.75) 13(-4.475,-2.25) 14(-4.475,-2.75) 15(-4.475,-3.25) 16(-4.475,-3.75) 33(4.475,-3.75) 34(4.475,-3.25) 35(4.475,-2.75) 36(4.475,-2.25) 37(4.475,-1.75) 38(4.475,-1.25) 39(4.475,-0.75) 40(4.475,-0.25) 41(4.475,0.25) 42(4.475,0.75) 43(4.475,1.25) 44(4.475,1.75) 45(4.475,2.25) 46(4.475,2.75) 47(4.475,3.25) 48(4.475,3.75)
  oval 0.25x0.65 smd: 17(-3.75,-4.475) 18(-3.25,-4.475) 19(-2.75,-4.475) 20(-2.25,-4.475) 21(-1.75,-4.475) 22(-1.25,-4.475) 23(-0.75,-4.475) 24(-0.25,-4.475) 25(0.25,-4.475) 26(0.75,-4.475) 27(1.25,-4.475) 28(1.75,-4.475) 29(2.25,-4.475) 30(2.75,-4.475) 31(3.25,-4.475) 32(3.75,-4.475) 49(3.75,4.475) 50(3.25,4.475) 51(2.75,4.475) 52(2.25,4.475) 53(1.75,4.475) 54(1.25,4.475) 55(0.75,4.475) 56(0.25,4.475) 57(-0.25,4.475) 58(-0.75,4.475) 59(-1.25,4.475) 60(-1.75,4.475) 61(-2.25,4.475) 62(-2.75,4.475) 63(-3.25,4.475) 64(-3.75,4.475)
  rect 4.5x4.5 smd: 65(0,0)
  silkscreen extent -5.46,-4.69 4.69,4.69, body extent -4.54,-4.54 4.54,4.54, height 1
RESC1005X40X25LL05T05 [mm] "Chip Resistor, 2-Leads, Body 1.00x0.50mm, IPC High Density"
  rect 0.45x0.45 smd: 1(-0.4,0) 2(0.4,0)
  body extent -0.53,-0.27 0.53,0.28, height 0.4
SOT583_MP2333C_MNP [mil]
  rect 24x11 smd paste+0 mask+0: 1(-29.5,29.53) 2(-29.5,9.84) 3(-29.5,-9.84) 4(-29.5,-29.53) 5(29.5,-29.53) 6(29.5,-9.84) 7(29.5,9.84) 8(29.5,29.53)
  silkscreen extent -58,-48 30,48, body extent -34,-44 34,44, height 22
SOT-23-OT6_N [mm] "SOT23, 6-Leads, Body 2.9x1.7mm, Pitch 0.95mm, Lead Span 2.8mm, IPC Medium Density"
  rect 1.1x0.65 smd: 1(-1.2,0.95) 2(-1.2,0) 3(-1.2,-0.95) 4(1.2,-0.95) 5(1.2,0) 6(1.2,0.95)
  silkscreen extent -1.33,-1.55 0.25,1.95, body extent -0.9,-1.55 0.9,1.55, height 1.45
"SW1.27 SMD-3P" [mm] "3P 1.27mm贴片拨动开关  L5.41，W5.4，H2.3mm"
  rect 0.65x1.5 smd: 1(-1.27,-4.15) 2(0,-4.15) 3(1.27,-4.15) 4(1.27,4.15) 5(0,4.15) 6(-1.27,4.15)
  silkscreen extent -2.79,-4.4 2.67,2.7, body extent -2.71,-4.35 2.7,4.35, height 2.35
SW-SMD-4.2x3.2_4P [mil]
  rect 39.4x27.6 smd mask+2: 1(-88.6,42.3) 2(-88.6,-42.3) 3(88.6,-42.3) 4(88.6,42.3)
  silkscreen extent -83,-65 83,65, body extent -92,-65 92,65, height 99
TYPE-C16PIN2MD(073)-Footprint [mm]
  rect 0.55x1.1 smd paste-100 mask+0.05: 1(-3.2,2.375) 2(-2.4,2.375) 11(2.4,2.375) 12(3.2,2.375)
  rect 0.3x1.1 smd paste-100 mask+0.05: 3(-1.75,2.375) 4(-1.25,2.375) 5(-0.75,2.375) 6(-0.25,2.375) 7(0.25,2.375) 8(0.75,2.375) 9(1.25,2.375) 10(1.75,2.375)
  oval 1.1x2 hole 0.6 slot 1.5 at 90 deg paste-2539.97 mask+0.05: 13(-4.325,1.825) 14(4.325,1.825)
  oval 1.2x1.8 hole 0.6 slot 1.2 at 90 deg paste-2539.97 mask+0.05: 13(-4.325,-2.375) 14(4.325,-2.375)
  Keep-Out Layer board cut-out: 3.24,1.305 3.24,1.375 3.187,1.503 3.088,1.602 2.96,1.655 2.821,1.655 2.692,1.602 2.593,1.503 2.54,1.375 2.54,1.305 2.54,1.235 2.593,1.107 2.692,1.008 2.821,0.955 2.96,0.955 3.088,1.008 3.187,1.107 3.24,1.235 3.24,1.305 3.24,1.305
  Keep-Out Layer board cut-out: -2.54,1.305 -2.54,1.375 -2.593,1.503 -2.692,1.602 -2.82,1.655 -2.96,1.655 -3.088,1.602 -3.187,1.503 -3.24,1.375 -3.24,1.305 -3.24,1.235 -3.187,1.107 -3.088,1.008 -2.96,0.955 -2.82,0.955 -2.692,1.008 -2.593,1.107 -2.54,1.235 -2.54,1.305 -2.54,1.305
  silkscreen extent -4.5,-4.97 4.57,0.6, body extent -4.47,-4.83 4.47,2.75, height 3.16
XTAL-3225-4P [mm] "3.2*2.5*0.7mm(长宽高)                             淘宝ID:黄晶宝石"
  rect 1.3x1.2 smd: 1(-1.05,-0.85) 2(1.05,-0.85) 3(1.05,0.85) 4(-1.05,0.85)
  silkscreen extent -2.03,-1.75 1.91,1.65, body extent -1.6,-1.25 1.6,1.25, height 0.7